# KiCad board Li-ion charger_panel.kicad_pcb (continued)
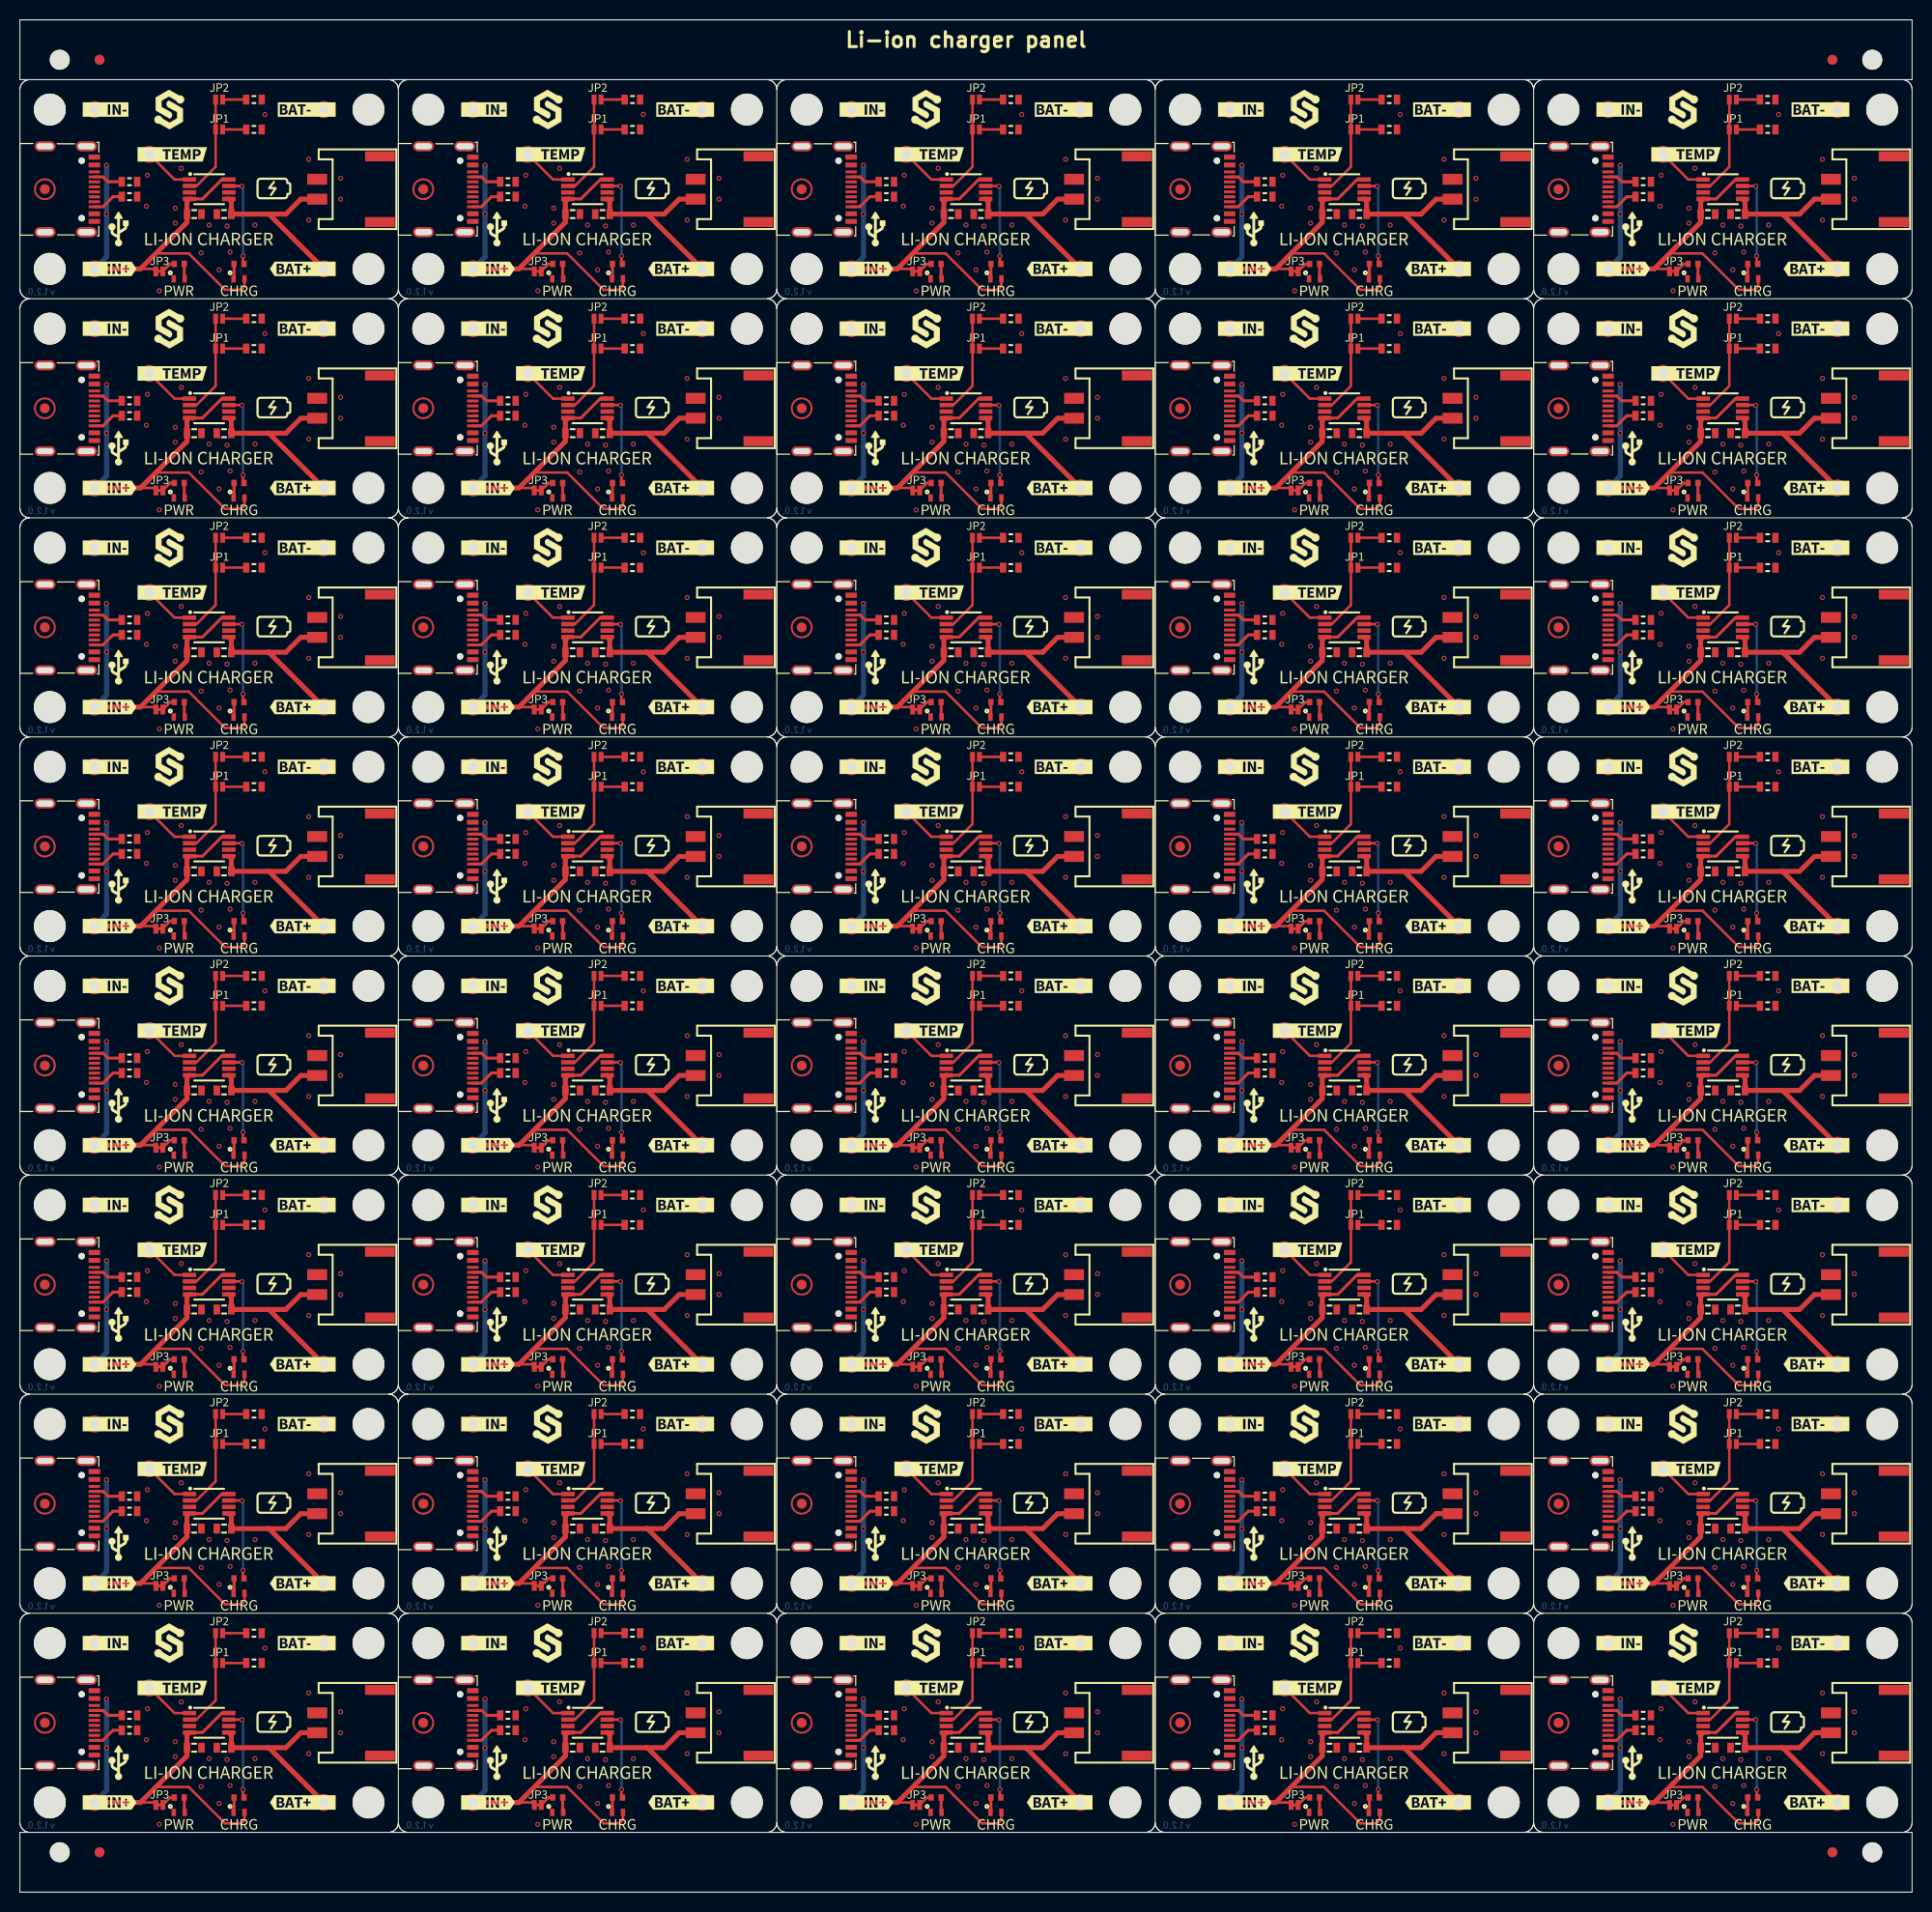
[diagram p0: board, top side]
## Nets (continued)
Board_32-Net-(D1-Pad2): D1#7.2 R5#27.2
Board_32-Net-(D2-Pad1): D2#35.1 R6#8.2
Board_32-Net-(JP1-Pad1): JP1#35.1 R3#20.2
Board_32-Net-(JP2-Pad1): JP2#23.1 R4#25.2
Board_32-Net-(JP3-Pad2): JP3#37.2 R6#8.1
Board_32-Net-(K1-PadA5): K1#5.A5 R2#35.1
Board_32-Net-(K1-PadB5): K1#5.B5 R1#39.1
Board_32-Net-(R5-Pad1): R5#27.1 U1#20.7
Board_32-PROG: JP1#35.2 JP2#23.2 U1#20.2
Board_32-TEMP: K4#6.1 U1#20.1
Board_32-unconnected-(K1-PadA6): K1#5.A6
Board_32-unconnected-(K1-PadA7): K1#5.A7
Board_32-unconnected-(K1-PadA8): K1#5.A8
Board_32-unconnected-(K1-PadB6): K1#5.B6
Board_32-unconnected-(K1-PadB7): K1#5.B7
Board_32-unconnected-(K1-PadB8): K1#5.B8
Board_32-unconnected-(U1-Pad6): U1#20.6
Board_32-VBAT: C2#33.2 K5#16.1 K7#10.1 U1#20.5
Board_32-VUSB: C1#4.2 D1#7.1 JP3#37.1 K1#5.A4 K1#5.A9 K1#5.B4 K1#5.B9 K2#12.1 U1#20.4 U1#20.8
Board_33-GND: C1#36.1 C2.1 D2#28.2 K1#16.A1 K1#16.A12 K1#16.B1 K1#16.B12 K1#16.SH K3#23.1 K6#40.1 K7#2.2 R1#2.2 R2#31.2 R3#35.1 R4#16.1 U1#38.3
Board_33-Net-(D1-Pad2): D1#31.2 R5#33.2
Board_33-Net-(D2-Pad1): D2#28.1 R6#19.2
Board_33-Net-(JP1-Pad1): JP1#39.1 R3#35.2
Board_33-Net-(JP2-Pad1): JP2#3.1 R4#16.2
Board_33-Net-(JP3-Pad2): JP3#40.2 R6#19.1
Board_33-Net-(K1-PadA5): K1#16.A5 R2#31.1
Board_33-Net-(K1-PadB5): K1#16.B5 R1#2.1
Board_33-Net-(R5-Pad1): R5#33.1 U1#38.7
Board_33-PROG: JP1#39.2 JP2#3.2 U1#38.2
Board_33-TEMP: K4#25.1 U1#38.1
Board_33-unconnected-(K1-PadA6): K1#16.A6
Board_33-unconnected-(K1-PadA7): K1#16.A7
Board_33-unconnected-(K1-PadA8): K1#16.A8
Board_33-unconnected-(K1-PadB6): K1#16.B6
Board_33-unconnected-(K1-PadB7): K1#16.B7
Board_33-unconnected-(K1-PadB8): K1#16.B8
Board_33-unconnected-(U1-Pad6): U1#38.6
Board_33-VBAT: C2.2 K5#30.1 K7#2.1 U1#38.5
Board_33-VUSB: C1#36.2 D1#31.1 JP3#40.1 K1#16.A4 K1#16.A9 K1#16.B4 K1#16.B9 K2#19.1 U1#38.4 U1#38.8
Board_34-GND: C1#27.1 C2#4.1 D2#19.2 K1#20.A1 K1#20.A12 K1#20.B1 K1#20.B12 K1#20.SH K3#5.1 K6#2.1 K7#6.2 R1#6.2 R2.2 R3#9.1 R4.1 U1#37.3
Board_34-Net-(D1-Pad2): D1#34.2 R5#35.2
Board_34-Net-(D2-Pad1): D2#19.1 R6#26.2
Board_34-Net-(JP1-Pad1): JP1#9.1 R3#9.2
Board_34-Net-(JP2-Pad1): JP2#17.1 R4.2
Board_34-Net-(JP3-Pad2): JP3#38.2 R6#26.1
Board_34-Net-(K1-PadA5): K1#20.A5 R2.1
Board_34-Net-(K1-PadB5): K1#20.B5 R1#6.1
Board_34-Net-(R5-Pad1): R5#35.1 U1#37.7
Board_34-PROG: JP1#9.2 JP2#17.2 U1#37.2
Board_34-TEMP: K4#21.1 U1#37.1
Board_34-unconnected-(K1-PadA6): K1#20.A6
Board_34-unconnected-(K1-PadA7): K1#20.A7
Board_34-unconnected-(K1-PadA8): K1#20.A8
Board_34-unconnected-(K1-PadB6): K1#20.B6
Board_34-unconnected-(K1-PadB7): K1#20.B7
Board_34-unconnected-(K1-PadB8): K1#20.B8
Board_34-unconnected-(U1-Pad6): U1#37.6
Board_34-VBAT: C2#4.2 K5#24.1 K7#6.1 U1#37.5
Board_34-VUSB: C1#27.2 D1#34.1 JP3#38.1 K1#20.A4 K1#20.A9 K1#20.B4 K1#20.B9 K2#29.1 U1#37.4 U1#37.8
Board_35-GND: C1#35.1 C2#11.1 D2#38.2 K1#29.A1 K1#29.A12 K1#29.B1 K1#29.B12 K1#29.SH K3#35.1 K6#27.1 K7#9.2 R1#3.2 R2#13.2 R3#11.1 R4#31.1 U1#11.3
Board_35-Net-(D1-Pad2): D1#40.2 R5#26.2
Board_35-Net-(D2-Pad1): D2#38.1 R6#36.2
Board_35-Net-(JP1-Pad1): JP1#6.1 R3#11.2
Board_35-Net-(JP2-Pad1): JP2#37.1 R4#31.2
Board_35-Net-(JP3-Pad2): JP3#20.2 R6#36.1
Board_35-Net-(K1-PadA5): K1#29.A5 R2#13.1
Board_35-Net-(K1-PadB5): K1#29.B5 R1#3.1
Board_35-Net-(R5-Pad1): R5#26.1 U1#11.7
Board_35-PROG: JP1#6.2 JP2#37.2 U1#11.2
Board_35-TEMP: K4#22.1 U1#11.1
Board_35-unconnected-(K1-PadA6): K1#29.A6
Board_35-unconnected-(K1-PadA7): K1#29.A7
Board_35-unconnected-(K1-PadA8): K1#29.A8
Board_35-unconnected-(K1-PadB6): K1#29.B6
Board_35-unconnected-(K1-PadB7): K1#29.B7
Board_35-unconnected-(K1-PadB8): K1#29.B8
Board_35-unconnected-(U1-Pad6): U1#11.6
Board_35-VBAT: C2#11.2 K5#37.1 K7#9.1 U1#11.5
Board_35-VUSB: C1#35.2 D1#40.1 JP3#20.1 K1#29.A4 K1#29.A9 K1#29.B4 K1#29.B9 K2#32.1 U1#11.4 U1#11.8
Board_36-GND: C1#2.1 C2#3.1 D2#39.2 K1#38.A1 K1#38.A12 K1#38.B1 K1#38.B12 K1#38.SH K3#32.1 K6#24.1 K7#32.2 R1#15.2 R2#24.2 R3#26.1 R4#13.1 U1#4.3
Board_36-Net-(D1-Pad2): D1#9.2 R5#25.2
Board_36-Net-(D2-Pad1): D2#39.1 R6#16.2
Board_36-Net-(JP1-Pad1): JP1#13.1 R3#26.2
Board_36-Net-(JP2-Pad1): JP2#6.1 R4#13.2
Board_36-Net-(JP3-Pad2): JP3#15.2 R6#16.1
Board_36-Net-(K1-PadA5): K1#38.A5 R2#24.1
Board_36-Net-(K1-PadB5): K1#38.B5 R1#15.1
Board_36-Net-(R5-Pad1): R5#25.1 U1#4.7
Board_36-PROG: JP1#13.2 JP2#6.2 U1#4.2
Board_36-TEMP: K4#27.1 U1#4.1
Board_36-unconnected-(K1-PadA6): K1#38.A6
Board_36-unconnected-(K1-PadA7): K1#38.A7
Board_36-unconnected-(K1-PadA8): K1#38.A8
Board_36-unconnected-(K1-PadB6): K1#38.B6
Board_36-unconnected-(K1-PadB7): K1#38.B7
Board_36-unconnected-(K1-PadB8): K1#38.B8
Board_36-unconnected-(U1-Pad6): U1#4.6
Board_36-VBAT: C2#3.2 K5#12.1 K7#32.1 U1#4.5
Board_36-VUSB: C1#2.2 D1#9.1 JP3#15.1 K1#38.A4 K1#38.A9 K1#38.B4 K1#38.B9 K2#25.1 U1#4.4 U1#4.8
Board_37-GND: C1#31.1 C2#35.1 D2#16.2 K1#11.A1 K1#11.A12 K1#11.B1 K1#11.B12 K1#11.SH K3#10.1 K6#28.1 K7#18.2 R1#7.2 R2#39.2 R3#16.1 R4#23.1 U1#35.3
Board_37-Net-(D1-Pad2): D1#35.2 R5#23.2
Board_37-Net-(D2-Pad1): D2#16.1 R6#21.2
Board_37-Net-(JP1-Pad1): JP1#38.1 R3#16.2
Board_37-Net-(JP2-Pad1): JP2#20.1 R4#23.2
Board_37-Net-(JP3-Pad2): JP3#30.2 R6#21.1
Board_37-Net-(K1-PadA5): K1#11.A5 R2#39.1
Board_37-Net-(K1-PadB5): K1#11.B5 R1#7.1
Board_37-Net-(R5-Pad1): R5#23.1 U1#35.7
Board_37-PROG: JP1#38.2 JP2#20.2 U1#35.2
Board_37-TEMP: K4#11.1 U1#35.1
Board_37-unconnected-(K1-PadA6): K1#11.A6
Board_37-unconnected-(K1-PadA7): K1#11.A7
Board_37-unconnected-(K1-PadA8): K1#11.A8
Board_37-unconnected-(K1-PadB6): K1#11.B6
Board_37-unconnected-(K1-PadB7): K1#11.B7
Board_37-unconnected-(K1-PadB8): K1#11.B8
Board_37-unconnected-(U1-Pad6): U1#35.6
Board_37-VBAT: C2#35.2 K5#20.1 K7#18.1 U1#35.5
Board_37-VUSB: C1#31.2 D1#35.1 JP3#30.1 K1#11.A4 K1#11.A9 K1#11.B4 K1#11.B9 K2#30.1 U1#35.4 U1#35.8
Board_38-GND: C1#22.1 C2#14.1 D2#3.2 K1#39.A1 K1#39.A12 K1#39.B1 K1#39.B12 K1#39.SH K3#2.1 K6#29.1 K7#26.2 R1#32.2 R2#11.2 R3#40.1 R4#18.1 U1#25.3
Board_38-Net-(D1-Pad2): D1#32.2 R5#38.2
Board_38-Net-(D2-Pad1): D2#3.1 R6#35.2
Board_38-Net-(JP1-Pad1): JP1#14.1 R3#40.2
Board_38-Net-(JP2-Pad1): JP2#38.1 R4#18.2
Board_38-Net-(JP3-Pad2): JP3#3.2 R6#35.1
Board_38-Net-(K1-PadA5): K1#39.A5 R2#11.1
Board_38-Net-(K1-PadB5): K1#39.B5 R1#32.1
Board_38-Net-(R5-Pad1): R5#38.1 U1#25.7
Board_38-PROG: JP1#14.2 JP2#38.2 U1#25.2
Board_38-TEMP: K4#4.1 U1#25.1
Board_38-unconnected-(K1-PadA6): K1#39.A6
Board_38-unconnected-(K1-PadA7): K1#39.A7
Board_38-unconnected-(K1-PadA8): K1#39.A8
Board_38-unconnected-(K1-PadB6): K1#39.B6
Board_38-unconnected-(K1-PadB7): K1#39.B7
Board_38-unconnected-(K1-PadB8): K1#39.B8
Board_38-unconnected-(U1-Pad6): U1#25.6
Board_38-VBAT: C2#14.2 K5#7.1 K7#26.1 U1#25.5
Board_38-VUSB: C1#22.2 D1#32.1 JP3#3.1 K1#39.A4 K1#39.A9 K1#39.B4 K1#39.B9 K2#31.1 U1#25.4 U1#25.8
Board_39-GND: C1#15.1 C2#20.1 D2#12.2 K1#18.A1 K1#18.A12 K1#18.B1 K1#18.B12 K1#18.SH K3#36.1 K6#13.1 K7#30.2 R1#24.2 R2#29.2 R3#13.1 R4#36.1 U1#36.3
Board_39-Net-(D1-Pad2): D1#24.2 R5#10.2
Board_39-Net-(D2-Pad1): D2#12.1 R6#37.2
Board_39-Net-(JP1-Pad1): JP1#34.1 R3#13.2
Board_39-Net-(JP2-Pad1): JP2#24.1 R4#36.2
Board_39-Net-(JP3-Pad2): JP3#39.2 R6#37.1
Board_39-Net-(K1-PadA5): K1#18.A5 R2#29.1
Board_39-Net-(K1-PadB5): K1#18.B5 R1#24.1
Board_39-Net-(R5-Pad1): R5#10.1 U1#36.7
Board_39-PROG: JP1#34.2 JP2#24.2 U1#36.2
Board_39-TEMP: K4#38.1 U1#36.1
Board_39-unconnected-(K1-PadA6): K1#18.A6
Board_39-unconnected-(K1-PadA7): K1#18.A7
Board_39-unconnected-(K1-PadA8): K1#18.A8
Board_39-unconnected-(K1-PadB6): K1#18.B6
Board_39-unconnected-(K1-PadB7): K1#18.B7
Board_39-unconnected-(K1-PadB8): K1#18.B8
Board_39-unconnected-(U1-Pad6): U1#36.6
Board_39-VBAT: C2#20.2 K5#34.1 K7#30.1 U1#36.5
Board_39-VUSB: C1#15.2 D1#24.1 JP3#39.1 K1#18.A4 K1#18.A9 K1#18.B4 K1#18.B9 K2#26.1 U1#36.4 U1#36.8

Pads without a net: FD1 1; FD1#2 1; FD1#3 1; FD1#4 1; FD1#5 1; FD1#6 1; FD1#7 1; FD1#8 1; FD1#9 1; FD1#10 1; FD1#11 1; FD1#12 1; FD1#13 1; FD1#14 1; FD1#15 1; FD1#16 1; FD1#17 1; FD1#18 1; FD1#19 1; FD1#20 1; FD1#21 1; FD1#22 1; FD1#23 1; FD1#24 1; FD1#25 1; FD1#26 1; FD1#27 1; FD1#28 1; FD1#29 1; FD1#30 1; FD1#31 1; FD1#32 1; FD1#33 1; FD1#34 1; FD1#35 1; FD1#36 1; FD1#37 1; FD1#38 1; FD1#39 1; FD1#40 1

## Via types
v1: diameter 0.5, hole 0.3, Top to Bottom, 840 vias

## Routing (per net, layer and track width the routed paths; a pad name or vN(x,y) marks a point on that pad's centre or on a via; arc(x,y) is an arc through that point)
Board_0-GND:
  vias: v1(12.7,169.3) v1(12.8,172.4) v1(14,160.8) v1(15.6,169.1) v1(15.6,167.6) v1(16.2,173.1) v1(18.2,164.6) v1(19,167.4) v1(20,162.9) v1(20.8,167.3) v1(21.1,164.7) v1(23.6,167.4) v1(24.6,178.5) v1(29,174) v1(29,167.9) v1(32.2,172.1) v1(32.2,170)
Board_0-Net-(D1-Pad2): length 1.5
  Top w0.3: R5#40.2 21.5,162.05 D1#11.2
Board_0-Net-(D2-Pad1): length 1.5
  Top w0.3: R6#4.2 16.5,162.05 D2#13.1
Board_0-Net-(JP1-Pad1): length 2.4
  Top w0.254: JP1#18.1 R3#18.2
Board_0-Net-(JP2-Pad1): length 2.4
  Top w0.254: JP2#11.1 R4#8.2
Board_0-Net-(JP3-Pad2): length 1.5
  Top w0.25: R6#4.1 15.1,163.5 JP3#16.2
Board_0-Net-(K1-PadA5): length 3
  Top w0.3: K1#7.A5 8.36,172.24 8.85,171.75 R2#27.1
Board_0-Net-(K1-PadB5): length 3.2
  Top w0.3: R1#17.1 9.35,170.25 8.34,169.24 K1#7.B5
Board_0-Net-(R5-Pad1): length 9.2
  Top w0.254: v1(22.3,171.3) 22.28,171.33 U1#27.7 ; R5#40.1 22.4,163.6 v1(22.4,164.3)
  Bottom w0.254: v1(22.3,171.3) 22.4,171.2 v1(22.4,164.3)
Board_0-PROG: length 10.2
  Top w0.254: U1#27.2 17.73,171.33 19.65,173.25 JP1#18.2 JP2#11.2
Board_0-TEMP: length 5.1
  Top w0.254: U1#27.1 15.53,171.98 K4#33.1
Board_0-VBAT: length 18.8
  Top w0.5: 24.9,168.5 26.7,168.5 28.2,170 K7#7.1 ; 24.9,168.5 C2#25.2 21.23,169.77 U1#27.5 ; 24.9,168.5 25,168.5 K5#5.1
Board_0-VUSB: length 42.3
  Top w0.25: 12.1,163 13.4,163 JP3#16.1
  Top w0.254: 13.65,164.55 16.95,164.55 20.6,160.9 22.2,160.9 22.55,161.25 D1#11.1
  Top w0.3: U1#27.8 20.28,171.98 18.33,170.03 U1#27.4
  Top w0.5: U1#27.4 16.77,169.77 C1#16.2 16.77,167.67 12.1,163 K2#22.1
  Bottom w0.5: v1(8.7,173.4) 8.7,164.2 K2#22.1
  vias: v1(8.7,168.5)
Board_1-GND:
  vias: v1(50.7,169.3) v1(50.8,172.4) v1(52,160.8) v1(53.6,169.1) v1(53.6,167.6) v1(54.2,173.1) v1(56.2,164.6) v1(57,167.4) v1(58,162.9) v1(58.8,167.3) v1(59.1,164.7) v1(61.6,167.4) v1(62.6,178.5) v1(67,174) v1(67,167.9) v1(70.2,172.1) v1(70.2,170)
Board_1-Net-(D1-Pad2): length 1.5
  Top w0.3: R5#13.2 59.5,162.05 D1#25.2
Board_1-Net-(D2-Pad1): length 1.5
  Top w0.3: D2#34.1 54.5,162.05 R6#23.2
Board_1-Net-(JP1-Pad1): length 2.4
  Top w0.254: JP1#22.1 R3#22.2
Board_1-Net-(JP2-Pad1): length 2.4
  Top w0.254: JP2#18.1 R4#33.2
Board_1-Net-(JP3-Pad2): length 1.5
  Top w0.25: R6#23.1 53.1,163.5 JP3#23.2
Board_1-Net-(K1-PadA5): length 3
  Top w0.3: R2#36.1 46.85,171.75 46.36,172.24 K1#24.A5
Board_1-Net-(K1-PadB5): length 3.2
  Top w0.3: K1#24.B5 46.34,169.24 47.35,170.25 R1#33.1
Board_1-Net-(R5-Pad1): length 9.2
  Top w0.254: R5#13.1 60.4,163.6 v1(60.4,164.3) ; v1(60.3,171.3) 60.28,171.33 U1#21.7
  Bottom w0.254: v1(60.4,164.3) 60.4,171.2 v1(60.3,171.3)
Board_1-PROG: length 10.2
  Top w0.254: U1#21.2 55.73,171.33 57.65,173.25 JP1#22.2 JP2#18.2
Board_1-TEMP: length 5.1
  Top w0.254: K4#10.1 53.53,171.98 U1#21.1
Board_1-VBAT: length 18.8
  Top w0.5: U1#21.5 59.23,169.77 C2#29.2 62.9,168.5 ; K5#10.1 63,168.5 62.9,168.5 ; 62.9,168.5 64.7,168.5 66.2,170 K7#22.1
Board_1-VUSB: length 42.3
  Top w0.25: 50.1,163 51.4,163 JP3#23.1
  Top w0.254: 51.65,164.55 54.95,164.55 58.6,160.9 60.2,160.9 60.55,161.25 D1#25.1
  Top w0.3: U1#21.8 58.28,171.98 56.33,170.03 U1#21.4
  Top w0.5: U1#21.4 54.77,169.77 C1#7.2 54.77,167.67 50.1,163 K2#13.1
  Bottom w0.5: v1(46.7,173.4) 46.7,164.2 K2#13.1
  vias: v1(46.7,168.5)
Board_2-GND:
  vias: v1(88.7,169.3) v1(88.8,172.4) v1(90,160.8) v1(91.6,169.1) v1(91.6,167.6) v1(92.2,173.1) v1(94.2,164.6) v1(95,167.4) v1(96,162.9) v1(96.8,167.3) v1(97.1,164.7) v1(99.6,167.4) v1(100.6,178.5) v1(105,174) v1(105,167.9) v1(108.2,172.1) v1(108.2,170)
Board_2-Net-(D1-Pad2): length 1.5
  Top w0.3: D1#16.2 97.5,162.05 R5#7.2
Board_2-Net-(D2-Pad1): length 1.5
  Top w0.3: R6#22.2 92.5,162.05 D2#20.1
Board_2-Net-(JP1-Pad1): length 2.4
  Top w0.254: JP1#30.1 R3#31.2
Board_2-Net-(JP2-Pad1): length 2.4
  Top w0.254: JP2#26.1 R4#4.2
Board_2-Net-(JP3-Pad2): length 1.5
  Top w0.25: JP3#6.2 91.1,163.5 R6#22.1
Board_2-Net-(K1-PadA5): length 3
  Top w0.3: K1#3.A5 84.36,172.24 84.85,171.75 R2#4.1
Board_2-Net-(K1-PadB5): length 3.2
  Top w0.3: R1.1 85.35,170.25 84.34,169.24 K1#3.B5
Board_2-Net-(R5-Pad1): length 9.2
  Top w0.254: U1#19.7 98.28,171.33 v1(98.3,171.3) ; R5#7.1 98.4,163.6 v1(98.4,164.3)
  Bottom w0.254: v1(98.3,171.3) 98.4,171.2 v1(98.4,164.3)
Board_2-PROG: length 10.2
  Top w0.254: JP2#26.2 JP1#30.2 95.65,173.25 93.73,171.33 U1#19.2
Board_2-TEMP: length 5.1
  Top w0.254: U1#19.1 91.53,171.98 K4#19.1
Board_2-VBAT: length 18.8
  Top w0.5: 100.9,168.5 C2#26.2 97.23,169.77 U1#19.5 ; 100.9,168.5 101,168.5 K5#40.1 ; 100.9,168.5 102.7,168.5 104.2,170 K7#40.1
Board_2-VUSB: length 42.3
  Top w0.25: JP3#6.1 89.4,163 88.1,163
  Top w0.254: D1#16.1 98.55,161.25 98.2,160.9 96.6,160.9 92.95,164.55 89.65,164.55
  Top w0.3: U1#19.4 94.33,170.03 96.28,171.98 U1#19.8
  Top w0.5: U1#19.4 92.77,169.77 C1#38.2 92.77,167.67 88.1,163 K2#15.1
  Bottom w0.5: K2#15.1 84.7,164.2 v1(84.7,173.4)
  vias: v1(84.7,168.5)
Board_3-GND:
  vias: v1(126.7,169.3) v1(126.8,172.4) v1(128,160.8) v1(129.6,169.1) v1(129.6,167.6) v1(130.2,173.1) v1(132.2,164.6) v1(133,167.4) v1(134,162.9) v1(134.8,167.3) v1(135.1,164.7) v1(137.6,167.4) v1(138.6,178.5) v1(143,174) v1(143,167.9) v1(146.2,172.1) v1(146.2,170)
Board_3-Net-(D1-Pad2): length 1.5
  Top w0.3: R5#19.2 135.5,162.05 D1#3.2
Board_3-Net-(D2-Pad1): length 1.5
  Top w0.3: D2#37.1 130.5,162.05 R6#12.2
Board_3-Net-(JP1-Pad1): length 2.4
  Top w0.254: JP1#25.1 R3#37.2
Board_3-Net-(JP2-Pad1): length 2.4
  Top w0.254: JP2#22.1 R4#19.2
Board_3-Net-(JP3-Pad2): length 1.5
  Top w0.25: JP3#17.2 129.1,163.5 R6#12.1
Board_3-Net-(K1-PadA5): length 3
  Top w0.3: K1#2.A5 122.36,172.24 122.85,171.75 R2#6.1
Board_3-Net-(K1-PadB5): length 3.2
  Top w0.3: R1#19.1 123.35,170.25 122.34,169.24 K1#2.B5
Board_3-Net-(R5-Pad1): length 9.2
  Top w0.254: R5#19.1 136.4,163.6 v1(136.4,164.3) ; U1#30.7 136.28,171.33 v1(136.3,171.3)
  Bottom w0.254: v1(136.4,164.3) 136.4,171.2 v1(136.3,171.3)
Board_3-PROG: length 10.2
  Top w0.254: U1#30.2 131.73,171.33 133.65,173.25 JP1#25.2 JP2#22.2
Board_3-TEMP: length 5.1
  Top w0.254: K4#34.1 129.53,171.98 U1#30.1
Board_3-VBAT: length 18.8
  Top w0.5: U1#30.5 135.23,169.77 C2#32.2 138.9,168.5 ; 138.9,168.5 139,168.5 K5#4.1 ; 138.9,168.5 140.7,168.5 142.2,170 K7.1
Board_3-VUSB: length 42.3
  Top w0.25: JP3#17.1 127.4,163 126.1,163
  Top w0.254: 127.65,164.55 130.95,164.55 134.6,160.9 136.2,160.9 136.55,161.25 D1#3.1
  Top w0.3: U1#30.4 132.33,170.03 134.28,171.98 U1#30.8
  Top w0.5: U1#30.4 130.77,169.77 C1#20.2 130.77,167.67 126.1,163 K2#3.1
  Bottom w0.5: v1(122.7,173.4) 122.7,164.2 K2#3.1
  vias: v1(122.7,168.5)
Board_4-GND:
  vias: v1(164.7,169.3) v1(164.8,172.4) v1(166,160.8) v1(167.6,169.1) v1(167.6,167.6) v1(168.2,173.1) v1(170.2,164.6) v1(171,167.4) v1(172,162.9) v1(172.8,167.3) v1(173.1,164.7) v1(175.6,167.4) v1(176.6,178.5) v1(181,174) v1(181,167.9) v1(184.2,172.1) v1(184.2,170)
Board_4-Net-(D1-Pad2): length 1.5
  Top w0.3: D1#37.2 173.5,162.05 R5#36.2
Board_4-Net-(D2-Pad1): length 1.5
  Top w0.3: R6#3.2 168.5,162.05 D2#30.1
Board_4-Net-(JP1-Pad1): length 2.4
  Top w0.254: JP1#23.1 R3#38.2
Board_4-Net-(JP2-Pad1): length 2.4
  Top w0.254: JP2#40.1 R4#7.2
Board_4-Net-(JP3-Pad2): length 1.5
  Top w0.25: R6#3.1 167.1,163.5 JP3#29.2
Board_4-Net-(K1-PadA5): length 3
  Top w0.3: K1#22.A5 160.36,172.24 160.85,171.75 R2#7.1
Board_4-Net-(K1-PadB5): length 3.2
  Top w0.3: K1#22.B5 160.34,169.24 161.35,170.25 R1#23.1
Board_4-Net-(R5-Pad1): length 9.2
  Top w0.254: U1#9.7 174.28,171.33 v1(174.3,171.3) ; R5#36.1 174.4,163.6 v1(174.4,164.3)
  Bottom w0.254: v1(174.4,164.3) 174.4,171.2 v1(174.3,171.3)
Board_4-PROG: length 10.2
  Top w0.254: JP2#40.2 JP1#23.2 171.65,173.25 169.73,171.33 U1#9.2
Board_4-TEMP: length 5.1
  Top w0.254: K4#8.1 167.53,171.98 U1#9.1
Board_4-VBAT: length 18.8
  Top w0.5: K7#11.1 180.2,170 178.7,168.5 176.9,168.5 ; K5.1 177,168.5 176.9,168.5 ; U1#9.5 173.23,169.77 C2#27.2 176.9,168.5
Board_4-VUSB: length 42.3
  Top w0.25: 164.1,163 165.4,163 JP3#29.1
  Top w0.254: D1#37.1 174.55,161.25 174.2,160.9 172.6,160.9 168.95,164.55 165.65,164.55
  Top w0.3: U1#9.8 172.28,171.98 170.33,170.03 U1#9.4
  Top w0.5: K2#39.1 164.1,163 168.77,167.67 C1.2 168.77,169.77 U1#9.4
  Bottom w0.5: v1(160.7,173.4) 160.7,164.2 K2#39.1
  vias: v1(160.7,168.5)
Board_5-GND:
  vias: v1(12.7,147.3) v1(12.8,150.4) v1(14,138.8) v1(15.6,147.1) v1(15.6,145.6) v1(16.2,151.1) v1(18.2,142.6) v1(19,145.4) v1(20,140.9) v1(20.8,145.3) v1(21.1,142.7) v1(23.6,145.4) v1(24.6,156.5) v1(29,152) v1(29,145.9) v1(32.2,150.1) v1(32.2,148)
Board_5-Net-(D1-Pad2): length 1.5
  Top w0.3: D1#39.2 21.5,140.05 R5#39.2
Board_5-Net-(D2-Pad1): length 1.5
  Top w0.3: D2#31.1 16.5,140.05 R6#25.2
Board_5-Net-(JP1-Pad1): length 2.4
  Top w0.254: JP1#37.1 R3#21.2
Board_5-Net-(JP2-Pad1): length 2.4
  Top w0.254: JP2#32.1 R4#5.2
Board_5-Net-(JP3-Pad2): length 1.5
  Top w0.25: JP3#25.2 15.1,141.5 R6#25.1
Board_5-Net-(K1-PadA5): length 3
  Top w0.3: K1#27.A5 8.36,150.24 8.85,149.75 R2#23.1
Board_5-Net-(K1-PadB5): length 3.2
  Top w0.3: R1#20.1 9.35,148.25 8.34,147.24 K1#27.B5
Board_5-Net-(R5-Pad1): length 9.2
  Top w0.254: R5#39.1 22.4,141.6 v1(22.4,142.3) ; U1#14.7 22.28,149.33 v1(22.3,149.3)
  Bottom w0.254: v1(22.4,142.3) 22.4,149.2 v1(22.3,149.3)
Board_5-PROG: length 10.2
  Top w0.254: U1#14.2 17.73,149.33 19.65,151.25 JP1#37.2 JP2#32.2
Board_5-TEMP: length 5.1
  Top w0.254: U1#14.1 15.53,149.98 K4#32.1
Board_5-VBAT: length 18.8
  Top w0.5: 24.9,146.5 25,146.5 K5#31.1 ; 24.9,146.5 26.7,146.5 28.2,148 K7#36.1 ; 24.9,146.5 C2#24.2 21.23,147.77 U1#14.5
Board_5-VUSB: length 42.3
  Top w0.25: JP3#25.1 13.4,141 12.1,141
  Top w0.254: D1#39.1 22.55,139.25 22.2,138.9 20.6,138.9 16.95,142.55 13.65,142.55
  Top w0.3: U1#14.8 20.28,149.98 18.33,148.03 U1#14.4
  Top w0.5: K2#27.1 12.1,141 16.77,145.67 C1#13.2 16.77,147.77 U1#14.4
  Bottom w0.5: K2#27.1 8.7,142.2 v1(8.7,151.4)
  vias: v1(8.7,146.5)
Board_6-GND:
  vias: v1(50.7,147.3) v1(50.8,150.4) v1(52,138.8) v1(53.6,147.1) v1(53.6,145.6) v1(54.2,151.1) v1(56.2,142.6) v1(57,145.4) v1(58,140.9) v1(58.8,145.3) v1(59.1,142.7) v1(61.6,145.4) v1(62.6,156.5) v1(67,152) v1(67,145.9) v1(70.2,150.1) v1(70.2,148)
Board_6-Net-(D1-Pad2): length 1.5
  Top w0.3: R5#12.2 59.5,140.05 D1#28.2
Board_6-Net-(D2-Pad1): length 1.5
  Top w0.3: D2#11.1 54.5,140.05 R6#14.2
Board_6-Net-(JP1-Pad1): length 2.4
  Top w0.254: JP1#28.1 R3#24.2
Board_6-Net-(JP2-Pad1): length 2.4
  Top w0.254: JP2#2.1 R4#3.2
Board_6-Net-(JP3-Pad2): length 1.5
  Top w0.25: JP3#26.2 53.1,141.5 R6#14.1
Board_6-Net-(K1-PadA5): length 3
  Top w0.3: R2#14.1 46.85,149.75 46.36,150.24 K1#4.A5
Board_6-Net-(K1-PadB5): length 3.2
  Top w0.3: R1#25.1 47.35,148.25 46.34,147.24 K1#4.B5
Board_6-Net-(R5-Pad1): length 9.2
  Top w0.254: R5#12.1 60.4,141.6 v1(60.4,142.3) ; v1(60.3,149.3) 60.28,149.33 U1#24.7
  Bottom w0.254: v1(60.4,142.3) 60.4,149.2 v1(60.3,149.3)
Board_6-PROG: length 10.2
  Top w0.254: JP2#2.2 JP1#28.2 57.65,151.25 55.73,149.33 U1#24.2
Board_6-TEMP: length 5.1
  Top w0.254: K4#18.1 53.53,149.98 U1#24.1
Board_6-VBAT: length 18.8
  Top w0.5: 62.9,146.5 C2#28.2 59.23,147.77 U1#24.5 ; 62.9,146.5 64.7,146.5 66.2,148 K7#4.1 ; 62.9,146.5 63,146.5 K5#13.1
Board_6-VUSB: length 42.3
  Top w0.25: 50.1,141 51.4,141 JP3#26.1
  Top w0.254: 51.65,142.55 54.95,142.55 58.6,138.9 60.2,138.9 60.55,139.25 D1#28.1
  Top w0.3: U1#24.4 56.33,148.03 58.28,149.98 U1#24.8
  Top w0.5: K2#38.1 50.1,141 54.77,145.67 C1#5.2 54.77,147.77 U1#24.4
  Bottom w0.5: v1(46.7,151.4) 46.7,142.2 K2#38.1
  vias: v1(46.7,146.5)
Board_7-GND:
  vias: v1(88.7,147.3) v1(88.8,150.4) v1(90,138.8) v1(91.6,147.1) v1(91.6,145.6) v1(92.2,151.1) v1(94.2,142.6) v1(95,145.4) v1(96,140.9) v1(96.8,145.3) v1(97.1,142.7) v1(99.6,145.4) v1(100.6,156.5) v1(105,152) v1(105,145.9) v1(108.2,150.1) v1(108.2,148)
Board_7-Net-(D1-Pad2): length 1.5
  Top w0.3: D1#18.2 97.5,140.05 R5#30.2
Board_7-Net-(D2-Pad1): length 1.5
  Top w0.3: R6.2 92.5,140.05 D2#5.1
Board_7-Net-(JP1-Pad1): length 2.4
  Top w0.254: JP1#26.1 R3#30.2
Board_7-Net-(JP2-Pad1): length 2.4
  Top w0.254: JP2#16.1 R4#32.2
Board_7-Net-(JP3-Pad2): length 1.5
  Top w0.25: R6.1 91.1,141.5 JP3#32.2
Board_7-Net-(K1-PadA5): length 3
  Top w0.3: R2#34.1 84.85,149.75 84.36,150.24 K1#9.A5
Board_7-Net-(K1-PadB5): length 3.2
  Top w0.3: K1#9.B5 84.34,147.24 85.35,148.25 R1#34.1
Board_7-Net-(R5-Pad1): length 9.2
  Top w0.254: U1#33.7 98.28,149.33 v1(98.3,149.3) ; R5#30.1 98.4,141.6 v1(98.4,142.3)
  Bottom w0.254: v1(98.4,142.3) 98.4,149.2 v1(98.3,149.3)
Board_7-PROG: length 10.2
  Top w0.254: JP2#16.2 JP1#26.2 95.65,151.25 93.73,149.33 U1#33.2
Board_7-TEMP: length 5.1
  Top w0.254: K4#37.1 91.53,149.98 U1#33.1
Board_7-VBAT: length 18.8
  Top w0.5: 100.9,146.5 101,146.5 K5#22.1 ; 100.9,146.5 102.7,146.5 104.2,148 K7#17.1 ; 100.9,146.5 C2#38.2 97.23,147.77 U1#33.5
Board_7-VUSB: length 42.3
  Top w0.25: 88.1,141 89.4,141 JP3#32.1
  Top w0.254: 89.65,142.55 92.95,142.55 96.6,138.9 98.2,138.9 98.55,139.25 D1#18.1
  Top w0.3: U1#33.8 96.28,149.98 94.33,148.03 U1#33.4
  Top w0.5: K2#40.1 88.1,141 92.77,145.67 C1#29.2 92.77,147.77 U1#33.4
  Bottom w0.5: v1(84.7,151.4) 84.7,142.2 K2#40.1
  vias: v1(84.7,146.5)
Board_8-GND:
  vias: v1(126.7,147.3) v1(126.8,150.4) v1(128,138.8) v1(129.6,147.1) v1(129.6,145.6) v1(130.2,151.1) v1(132.2,142.6) v1(133,145.4) v1(134,140.9) v1(134.8,145.3) v1(135.1,142.7) v1(137.6,145.4) v1(138.6,156.5) v1(143,152) v1(143,145.9) v1(146.2,150.1) v1(146.2,148)
Board_8-Net-(D1-Pad2): length 1.5
  Top w0.3: D1#33.2 135.5,140.05 R5#4.2
Board_8-Net-(D2-Pad1): length 1.5
  Top w0.3: R6#27.2 130.5,140.05 D2#22.1
Board_8-Net-(JP1-Pad1): length 2.4
  Top w0.254: JP1#17.1 R3#12.2
Board_8-Net-(JP2-Pad1): length 2.4
  Top w0.254: JP2#33.1 R4#29.2
Board_8-Net-(JP3-Pad2): length 1.5
  Top w0.25: JP3#31.2 129.1,141.5 R6#27.1
Board_8-Net-(K1-PadA5): length 3
  Top w0.3: R2#18.1 122.85,149.75 122.36,150.24 K1#13.A5
Board_8-Net-(K1-PadB5): length 3.2
  Top w0.3: K1#13.B5 122.34,147.24 123.35,148.25 R1#12.1
Board_8-Net-(R5-Pad1): length 9.2
  Top w0.254: v1(136.4,142.3) 136.4,141.6 R5#4.1 ; U1#6.7 136.28,149.33 v1(136.3,149.3)
  Bottom w0.254: v1(136.3,149.3) 136.4,149.2 v1(136.4,142.3)
Board_8-PROG: length 10.2
  Top w0.254: U1#6.2 131.73,149.33 133.65,151.25 JP1#17.2 JP2#33.2
Board_8-TEMP: length 5.1
  Top w0.254: K4#30.1 129.53,149.98 U1#6.1
Board_8-VBAT: length 18.8
  Top w0.5: 138.9,146.5 140.7,146.5 142.2,148 K7#12.1 ; 138.9,146.5 139,146.5 K5#38.1 ; 138.9,146.5 C2#39.2 135.23,147.77 U1#6.5
Board_8-VUSB: length 42.3
  Top w0.25: JP3#31.1 127.4,141 126.1,141
  Top w0.254: 127.65,142.55 130.95,142.55 134.6,138.9 136.2,138.9 136.55,139.25 D1#33.1
  Top w0.3: U1#6.8 134.28,149.98 132.33,148.03 U1#6.4
  Top w0.5: U1#6.4 130.77,147.77 C1#14.2 130.77,145.67 126.1,141 K2#17.1
  Bottom w0.5: K2#17.1 122.7,142.2 v1(122.7,151.4)
  vias: v1(122.7,146.5)
Board_9-GND:
  vias: v1(164.7,147.3) v1(164.8,150.4) v1(166,138.8) v1(167.6,147.1) v1(167.6,145.6) v1(168.2,151.1) v1(170.2,142.6) v1(171,145.4) v1(172,140.9) v1(172.8,145.3) v1(173.1,142.7) v1(175.6,145.4) v1(176.6,156.5) v1(181,152) v1(181,145.9) v1(184.2,150.1) v1(184.2,148)
Board_9-Net-(D1-Pad2): length 1.5
  Top w0.3: D1#12.2 173.5,140.05 R5#20.2
Board_9-Net-(D2-Pad1): length 1.5
  Top w0.3: D2#25.1 168.5,140.05 R6#32.2
Board_9-Net-(JP1-Pad1): length 2.4
  Top w0.254: JP1.1 R3#25.2
Board_9-Net-(JP2-Pad1): length 2.4
  Top w0.254: JP2.1 R4#30.2
Board_9-Net-(JP3-Pad2): length 1.5
  Top w0.25: R6#32.1 167.1,141.5 JP3#10.2
Board_9-Net-(K1-PadA5): length 3
  Top w0.3: R2#40.1 160.85,149.75 160.36,150.24 K1#33.A5
Board_9-Net-(K1-PadB5): length 3.2
  Top w0.3: K1#33.B5 160.34,147.24 161.35,148.25 R1#30.1
Board_9-Net-(R5-Pad1): length 9.2
  Top w0.254: v1(174.4,142.3) 174.4,141.6 R5#20.1 ; U1#31.7 174.28,149.33 v1(174.3,149.3)
  Bottom w0.254: v1(174.4,142.3) 174.4,149.2 v1(174.3,149.3)
Board_9-PROG: length 10.2
  Top w0.254: U1#31.2 169.73,149.33 171.65,151.25 JP1.2 JP2.2
Board_9-TEMP: length 5.1
  Top w0.254: U1#31.1 167.53,149.98 K4#15.1
Board_9-VBAT: length 18.8
  Top w0.5: 176.9,146.5 177,146.5 K5#26.1 ; 176.9,146.5 178.7,146.5 180.2,148 K7#16.1 ; 176.9,146.5 C2#5.2 173.23,147.77 U1#31.5
Board_9-VUSB: length 42.3
  Top w0.25: 164.1,141 165.4,141 JP3#10.1
  Top w0.254: 165.65,142.55 168.95,142.55 172.6,138.9 174.2,138.9 174.55,139.25 D1#12.1
  Top w0.3: U1#31.8 172.28,149.98 170.33,148.03 U1#31.4
  Top w0.5: U1#31.4 168.77,147.77 C1#34.2 168.77,145.67 164.1,141 K2#7.1
  Bottom w0.5: v1(160.7,151.4) 160.7,142.2 K2#7.1
  vias: v1(160.7,146.5)
Board_10-GND:
  vias: v1(12.7,125.3) v1(12.8,128.4) v1(14,116.8) v1(15.6,125.1) v1(15.6,123.6) v1(16.2,129.1) v1(18.2,120.6) v1(19,123.4) v1(20,118.9) v1(20.8,123.3) v1(21.1,120.7) v1(23.6,123.4) v1(24.6,134.5) v1(29,130) v1(29,123.9) v1(32.2,128.1) v1(32.2,126)
